# KiCad board AnalogComputer.kicad_pcb
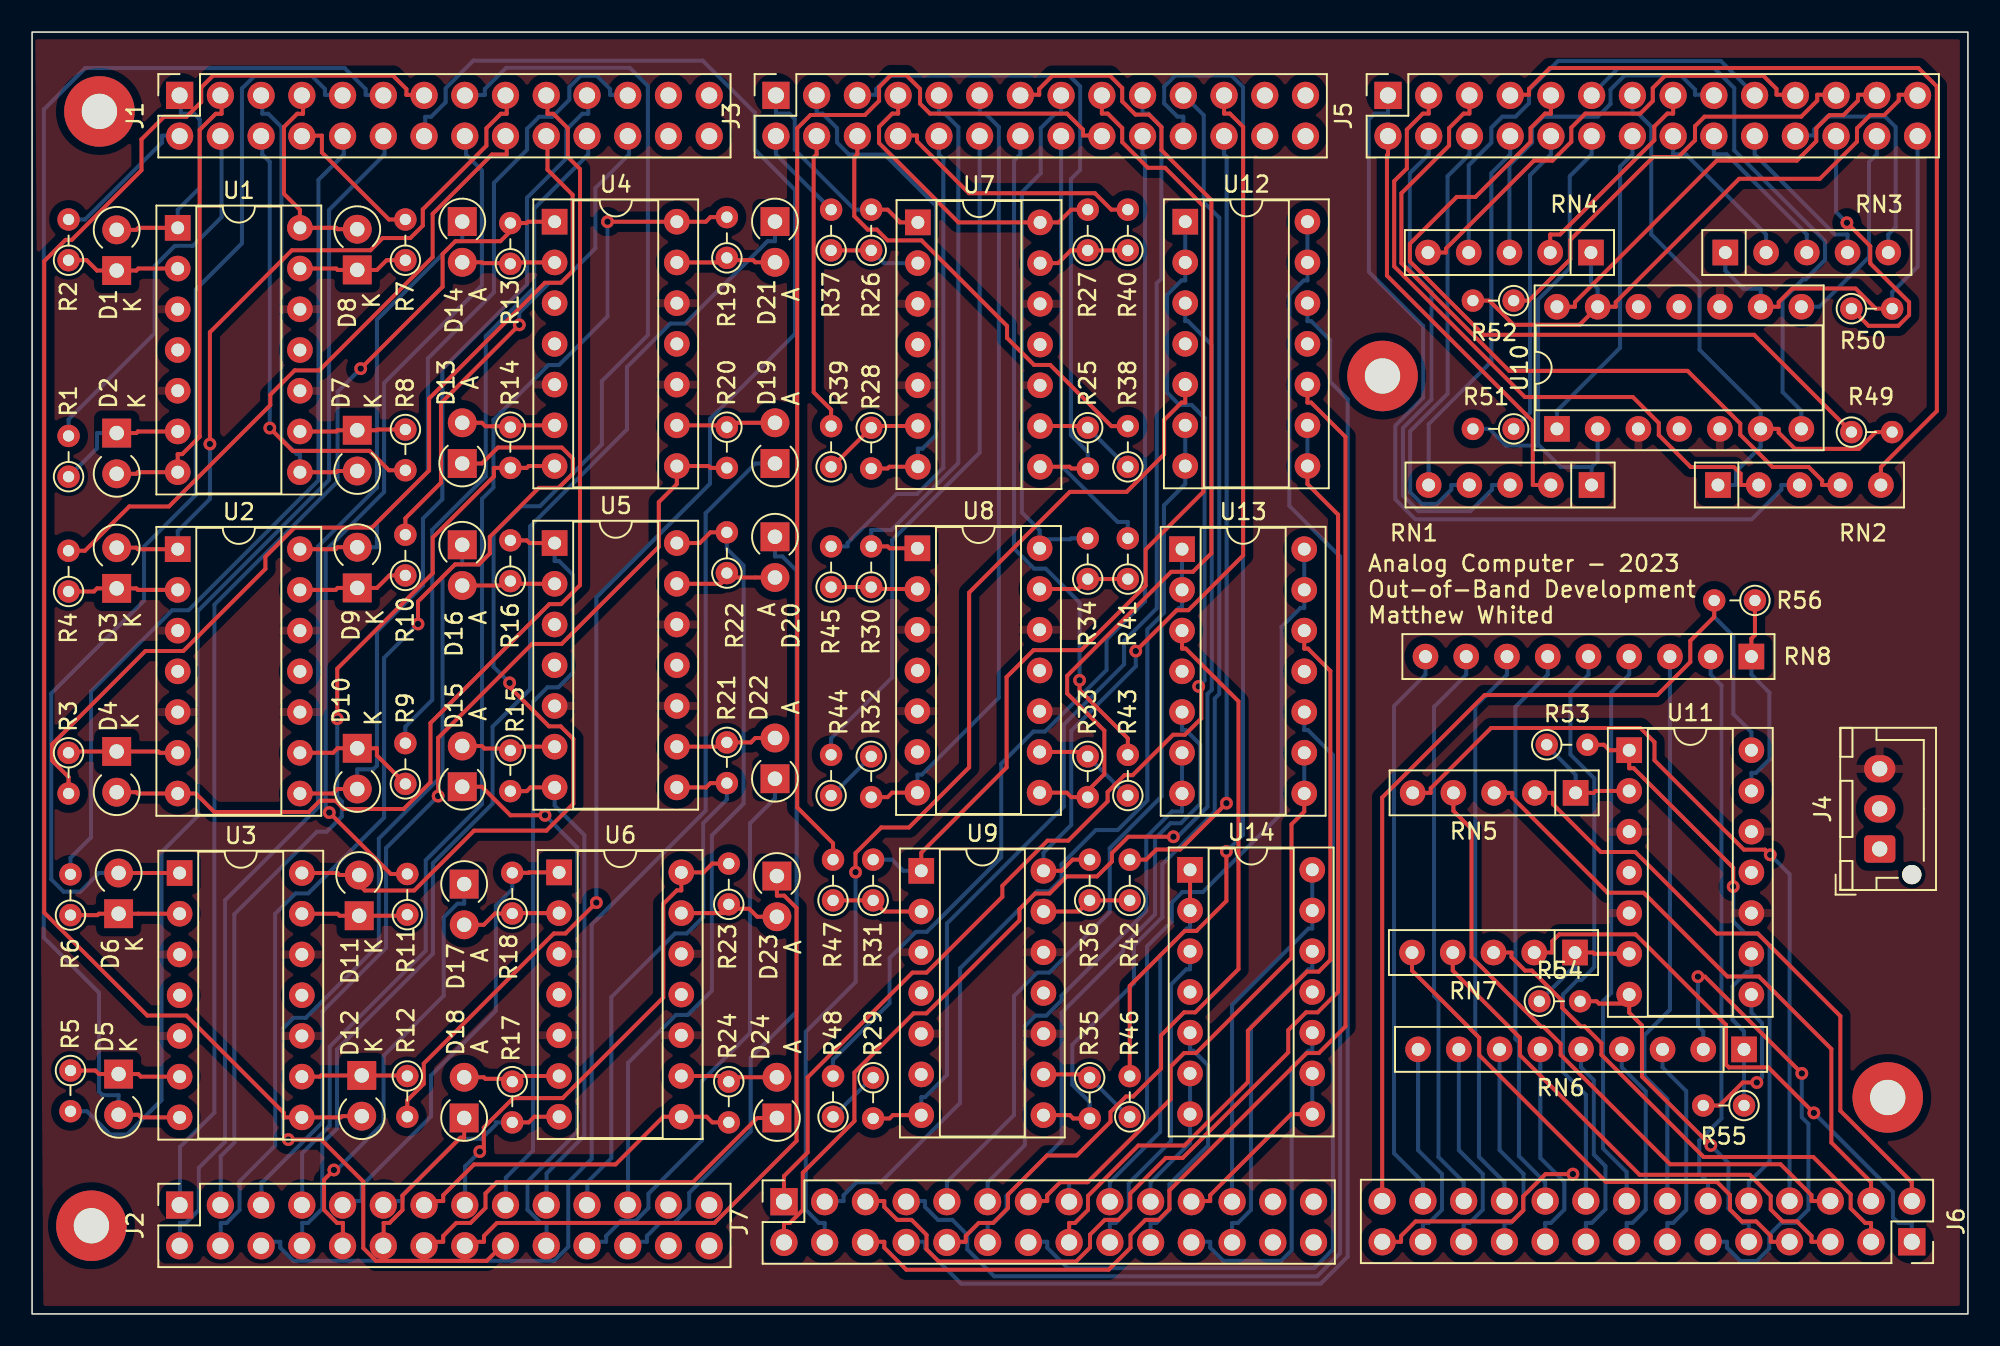
[diagram p0: board, top side]
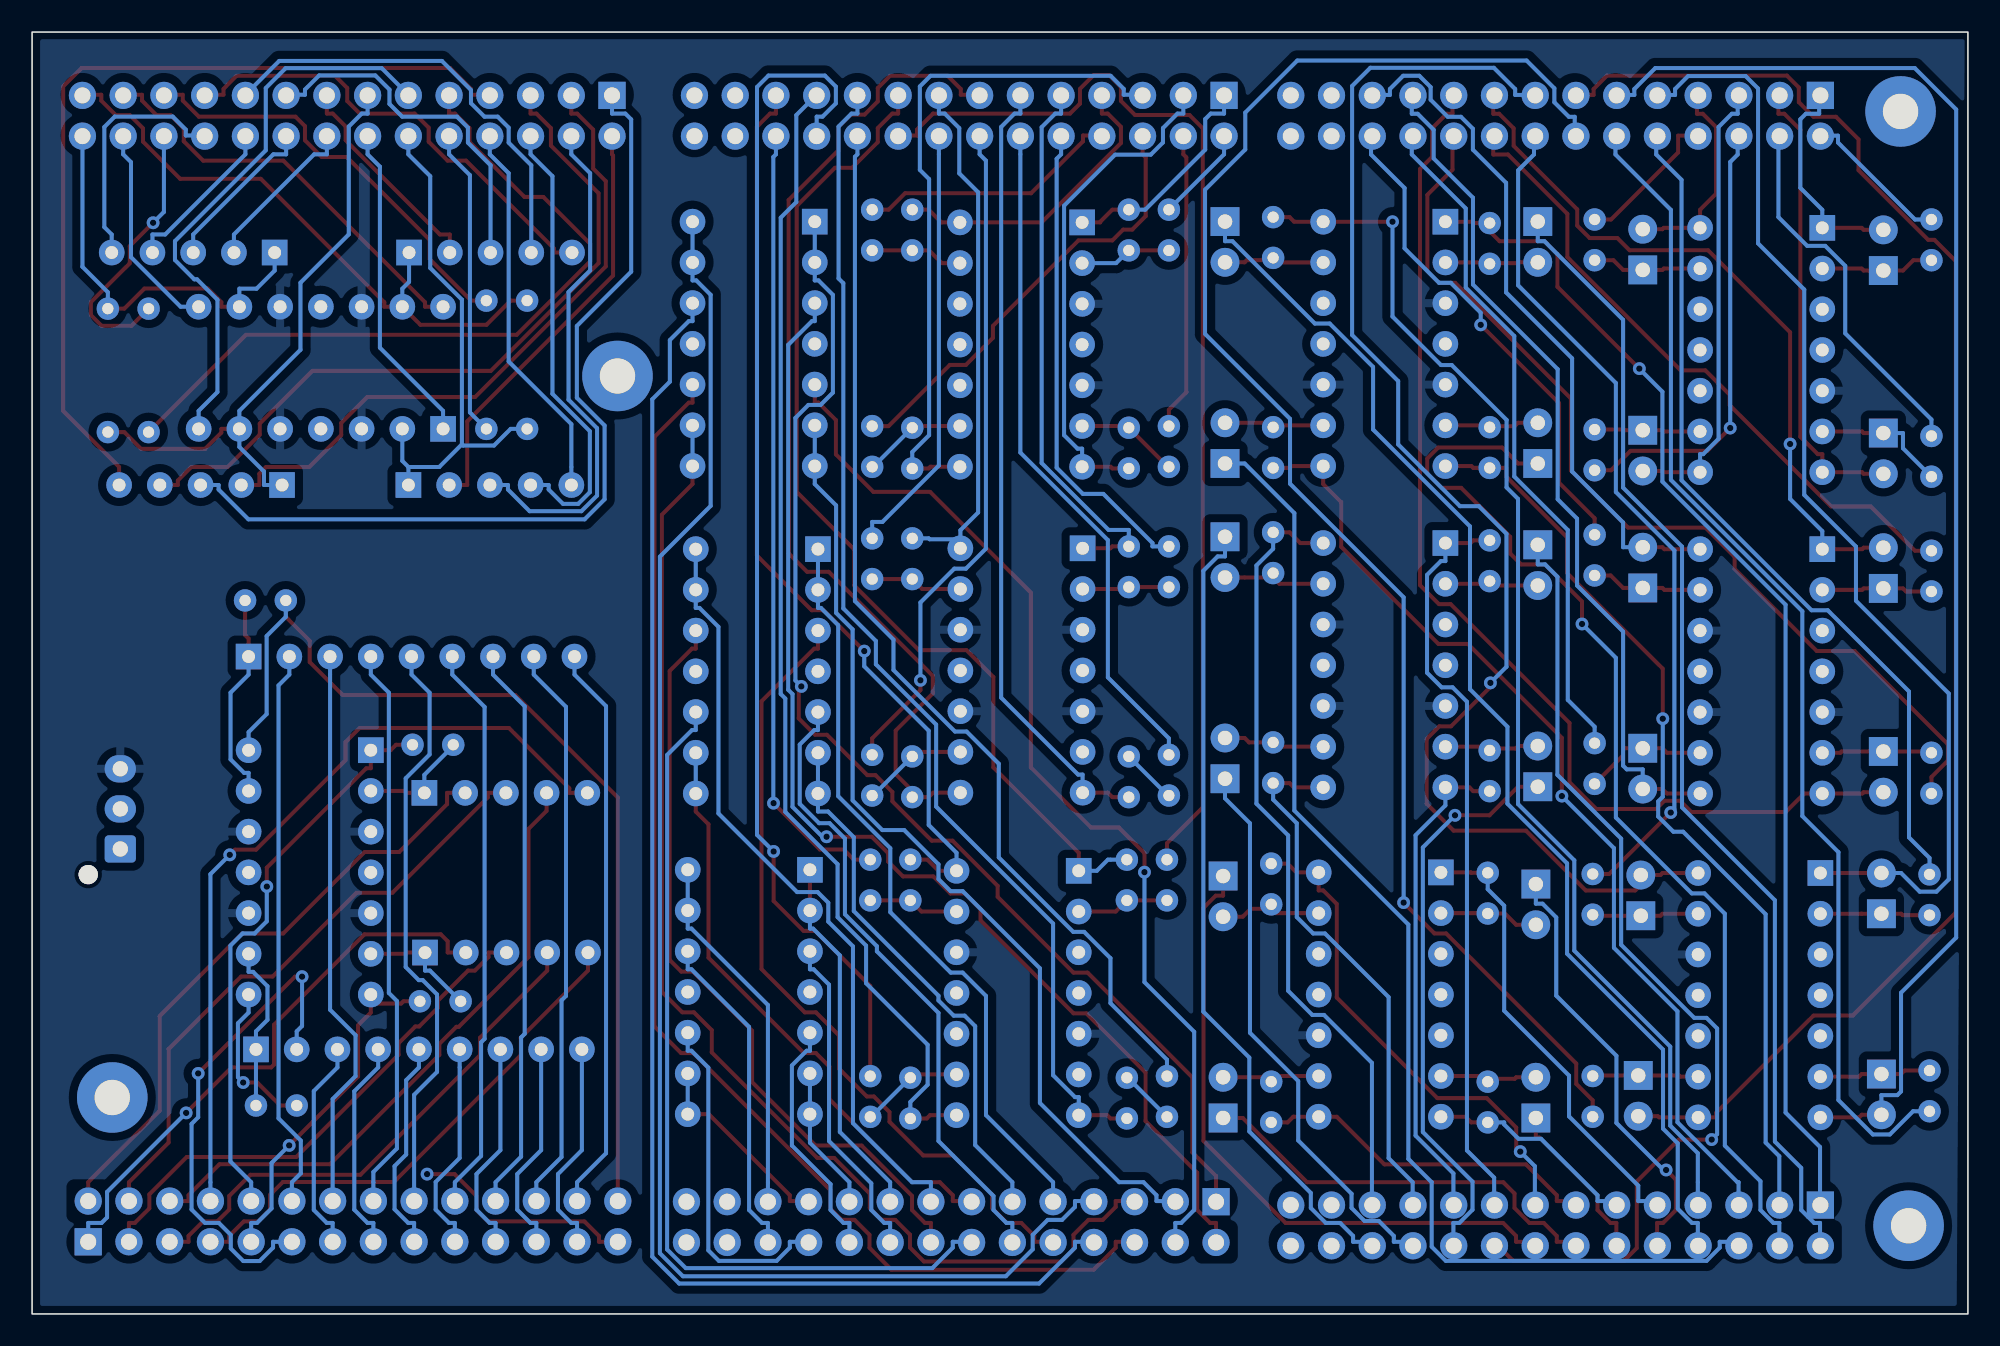
[diagram p1: board, bottom side, seen from below]

Outline 120.7 x 79.95 mm; copper layers: Top, Ground (plane), Power (plane), Bottom. Coordinates in mm from the lower left corner of the outline.
Outline path: rectangle 0,79.95 120.7,0
Stack: Top 0.035mm / dielectric 0.1mm FR4 er 4.5 / Ground 0.035mm / dielectric 1.24mm FR4 er 4.5 / Power 0.035mm / dielectric 0.1mm FR4 er 4.5 / Bottom 0.035mm

## Placement (name value [footprint] x y rotation side)
D1  1N4148  [D_A-405_P2.54mm_Vertical_KathodeUp]  5.28 65.08 90 top
D2  1N4148  [D_A-405_P2.54mm_Vertical_KathodeUp]  5.28 54.94 270 top
D3  1N4148  [D_A-405_P2.54mm_Vertical_KathodeUp]  5.28 45.25 90 top
D4  1N4148  [D_A-405_P2.54mm_Vertical_KathodeUp]  5.28 35.08 270 top
D5  1N4148  [D_A-405_P2.54mm_Vertical_KathodeUp]  5.39 14.96 270 top
D6  1N4148  [D_A-405_P2.54mm_Vertical_KathodeUp]  5.39 24.96 90 top
D7  1N4148  [D_A-405_P2.54mm_Vertical_KathodeUp]  20.28 55.11 270 top
D8  1N4148  [D_A-405_P2.54mm_Vertical_KathodeUp]  20.28 65.11 90 top
D9  1N4148  [D_A-405_P2.54mm_Vertical_KathodeUp]  20.28 45.28 90 top
D10  1N4148  [D_A-405_P2.54mm_Vertical_KathodeUp]  20.28 35.28 270 top
D11  1N4148  [D_A-405_P2.54mm_Vertical_KathodeUp]  20.39 24.83 90 top
D12  1N4148  [D_A-405_P2.54mm_Vertical_KathodeUp]  20.56 14.88 270 top
D13  1N4148  [D_A-405_P2.54mm_Vertical_AnodeUp]  26.82 53.04 90 top
D14  1N4148  [D_A-405_P2.54mm_Vertical_AnodeUp]  26.82 68.13 270 top
D15  1N4148  [D_A-405_P2.54mm_Vertical_AnodeUp]  26.82 32.88 90 top
D16  1N4148  [D_A-405_P2.54mm_Vertical_AnodeUp]  26.82 47.97 270 top
D17  1N4148  [D_A-405_P2.54mm_Vertical_AnodeUp]  26.94 26.81 270 top
D18  1N4148  [D_A-405_P2.54mm_Vertical_AnodeUp]  26.94 12.22 90 top
D19  1N4148  [D_A-405_P2.54mm_Vertical_AnodeUp]  46.32 53.04 90 top
D20  1N4148  [D_A-405_P2.54mm_Vertical_AnodeUp]  46.32 48.47 270 top
D21  1N4148  [D_A-405_P2.54mm_Vertical_AnodeUp]  46.32 68.13 270 top
D22  1N4148  [D_A-405_P2.54mm_Vertical_AnodeUp]  46.32 33.38 90 top
D23  1N4148  [D_A-405_P2.54mm_Vertical_AnodeUp]  46.44 27.31 270 top
D24  1N4148  [D_A-405_P2.54mm_Vertical_AnodeUp]  46.44 12.22 90 top
J1  Conn_02x14_Odd_Even  [PinSocket_2x14_P2.54mm_Vertical]  9.2 76 90 top
J2  Conn_02x14_Odd_Even  [PinSocket_2x14_P2.54mm_Vertical]  9.2 6.79 90 top
J3  Conn_02x14_Odd_Even  [PinSocket_2x14_P2.54mm_Vertical]  46.38 76 90 top
J4  Conn_01x03_Pin  [JST_XH_B3B-XH-AM_1x03_P2.50mm_Vertical]  115.2 29 90 top
J5  Conn_02x14_Odd_Even  [PinSocket_2x14_P2.54mm_Vertical]  84.54 76 90 top
J6  Conn_02x14_Odd_Even  [PinSocket_2x14_P2.54mm_Vertical]  117.2 4.5 270 top
J7  Conn_02x14_Odd_Even  [PinSocket_2x14_P2.54mm_Vertical]  46.88 7 90 top
R1  10k  [R_Axial_DIN0204_L3.6mm_D1.6mm_P2.54mm_Vertical]  2.28 52.22 90 top
R2  10k  [R_Axial_DIN0204_L3.6mm_D1.6mm_P2.54mm_Vertical]  2.28 65.72 90 top
R3  10k  [R_Axial_DIN0204_L3.6mm_D1.6mm_P2.54mm_Vertical]  2.28 35 270 top
R4  10k  [R_Axial_DIN0204_L3.6mm_D1.6mm_P2.54mm_Vertical]  2.28 45.06 90 top
R5  10k  [R_Axial_DIN0204_L3.6mm_D1.6mm_P2.54mm_Vertical]  2.4 15.18 270 top
R6  10k  [R_Axial_DIN0204_L3.6mm_D1.6mm_P2.54mm_Vertical]  2.4 24.88 90 top
R7  10k  [R_Axial_DIN0204_L3.6mm_D1.6mm_P2.54mm_Vertical]  23.28 65.72 90 top
R8  10k  [R_Axial_DIN0204_L3.6mm_D1.6mm_P2.54mm_Vertical]  23.28 55.16 270 top
R9  10k  [R_Axial_DIN0204_L3.6mm_D1.6mm_P2.54mm_Vertical]  23.28 33.06 90 top
R10  10k  [R_Axial_DIN0204_L3.6mm_D1.6mm_P2.54mm_Vertical]  23.28 46.06 90 top
R11  10k  [R_Axial_DIN0204_L3.6mm_D1.6mm_P2.54mm_Vertical]  23.39 24.9 90 top
R12  10k  [R_Axial_DIN0204_L3.6mm_D1.6mm_P2.54mm_Vertical]  23.39 14.84 270 top
R13  10k  [R_Axial_DIN0204_L3.6mm_D1.6mm_P2.54mm_Vertical]  29.82 65.5 90 top
R14  10k  [R_Axial_DIN0204_L3.6mm_D1.6mm_P2.54mm_Vertical]  29.82 55.31 270 top
R15  10k  [R_Axial_DIN0204_L3.6mm_D1.6mm_P2.54mm_Vertical]  29.82 35.15 270 top
R16  10k  [R_Axial_DIN0204_L3.6mm_D1.6mm_P2.54mm_Vertical]  29.82 45.71 90 top
R17  10k  [R_Axial_DIN0204_L3.6mm_D1.6mm_P2.54mm_Vertical]  29.94 14.49 270 top
R18  10k  [R_Axial_DIN0204_L3.6mm_D1.6mm_P2.54mm_Vertical]  29.94 24.97 90 top
R19  10k  [R_Axial_DIN0204_L3.6mm_D1.6mm_P2.54mm_Vertical]  43.32 65.87 90 top
R20  10k  [R_Axial_DIN0204_L3.6mm_D1.6mm_P2.54mm_Vertical]  43.32 55.31 270 top
R21  10k  [R_Axial_DIN0204_L3.6mm_D1.6mm_P2.54mm_Vertical]  43.32 35.65 270 top
R22  10k  [R_Axial_DIN0204_L3.6mm_D1.6mm_P2.54mm_Vertical]  43.32 46.21 90 top
R23  10k  [R_Axial_DIN0204_L3.6mm_D1.6mm_P2.54mm_Vertical]  43.44 25.55 90 top
R24  10k  [R_Axial_DIN0204_L3.6mm_D1.6mm_P2.54mm_Vertical]  43.44 14.49 270 top
R25  10k  [R_Axial_DIN0204_L3.6mm_D1.6mm_P2.54mm_Vertical]  65.82 55.27 270 top
R26  10k  [R_Axial_DIN0204_L3.6mm_D1.6mm_P2.54mm_Vertical]  52.32 66.33 90 top
R27  10k  [R_Axial_DIN0204_L3.6mm_D1.6mm_P2.54mm_Vertical]  65.82 66.33 90 top
R28  10k  [R_Axial_DIN0204_L3.6mm_D1.6mm_P2.54mm_Vertical]  52.32 55.27 270 top
R29  10k  [R_Axial_DIN0204_L3.6mm_D1.6mm_P2.54mm_Vertical]  52.44 14.73 270 top
R30  10k  [R_Axial_DIN0204_L3.6mm_D1.6mm_P2.54mm_Vertical]  52.32 45.33 90 top
R31  10k  [R_Axial_DIN0204_L3.6mm_D1.6mm_P2.54mm_Vertical]  52.44 25.79 90 top
R32  10k  [R_Axial_DIN0204_L3.6mm_D1.6mm_P2.54mm_Vertical]  52.32 34.77 270 top
R33  10k  [R_Axial_DIN0204_L3.6mm_D1.6mm_P2.54mm_Vertical]  65.82 34.77 270 top
R34  10k  [R_Axial_DIN0204_L3.6mm_D1.6mm_P2.54mm_Vertical]  65.82 45.83 90 top
R35  10k  [R_Axial_DIN0204_L3.6mm_D1.6mm_P2.54mm_Vertical]  65.94 14.73 270 top
R36  10k  [R_Axial_DIN0204_L3.6mm_D1.6mm_P2.54mm_Vertical]  65.94 25.79 90 top
R37  10k  [R_Axial_DIN0204_L3.6mm_D1.6mm_P2.54mm_Vertical]  49.82 66.33 90 top
R38  10k  [R_Axial_DIN0204_L3.6mm_D1.6mm_P2.54mm_Vertical]  68.32 52.83 90 top
R39  10k  [R_Axial_DIN0204_L3.6mm_D1.6mm_P2.54mm_Vertical]  49.82 52.83 90 top
R40  10k  [R_Axial_DIN0204_L3.6mm_D1.6mm_P2.54mm_Vertical]  68.32 66.33 90 top
R41  10k  [R_Axial_DIN0204_L3.6mm_D1.6mm_P2.54mm_Vertical]  68.32 45.83 90 top
R42  10k  [R_Axial_DIN0204_L3.6mm_D1.6mm_P2.54mm_Vertical]  68.44 25.79 90 top
R43  10k  [R_Axial_DIN0204_L3.6mm_D1.6mm_P2.54mm_Vertical]  68.32 32.33 90 top
R44  10k  [R_Axial_DIN0204_L3.6mm_D1.6mm_P2.54mm_Vertical]  49.82 32.33 90 top
R45  10k  [R_Axial_DIN0204_L3.6mm_D1.6mm_P2.54mm_Vertical]  49.82 45.33 90 top
R46  10k  [R_Axial_DIN0204_L3.6mm_D1.6mm_P2.54mm_Vertical]  68.44 12.29 90 top
R47  10k  [R_Axial_DIN0204_L3.6mm_D1.6mm_P2.54mm_Vertical]  49.94 25.79 90 top
R48  10k  [R_Axial_DIN0204_L3.6mm_D1.6mm_P2.54mm_Vertical]  49.94 12.29 90 top
R49  1k  [R_Axial_DIN0204_L3.6mm_D1.6mm_P2.54mm_Vertical]  113.44 55 0 top
R50  1k  [R_Axial_DIN0204_L3.6mm_D1.6mm_P2.54mm_Vertical]  113.44 62.7 0 top
R51  1k  [R_Axial_DIN0204_L3.6mm_D1.6mm_P2.54mm_Vertical]  92.38 55.2 180 top
R52  1k  [R_Axial_DIN0204_L3.6mm_D1.6mm_P2.54mm_Vertical]  92.38 63.2 180 top
R53  10k  [R_Axial_DIN0204_L3.6mm_D1.6mm_P2.54mm_Vertical]  94.44 35.5 0 top
R54  10k  [R_Axial_DIN0204_L3.6mm_D1.6mm_P2.54mm_Vertical]  93.98 19.5 0 top
R55  10k  [R_Axial_DIN0204_L3.6mm_D1.6mm_P2.54mm_Vertical]  106.74 13 180 top
R56  10k  [R_Axial_DIN0204_L3.6mm_D1.6mm_P2.54mm_Vertical]  107.42 44.5 180 top
REF0  -  [MountingHole_2.2mm_M2_Pad_TopBottom]  84.2 58.5 0 top
REF2  -  [MountingHole_2.2mm_M2_Pad_TopBottom]  115.7 13.5 0 top
REF3  -  [MountingHole_2.2mm_M2_Pad_TopBottom]  4.2 75 0 top
REF4  -  [MountingHole_2.2mm_M2_Pad_TopBottom]  3.7 5.5 0 top
RN1  10k  [R_Array_SIP5]  97.23 51.7 180 top
RN2  10k  [R_Array_SIP5]  105.11 51.7 0 top
RN3  10k  [R_Array_SIP5]  105.58 66.2 0 top
RN4  10k  [R_Array_SIP5]  97.2 66.2 180 top
RN5  10k  [R_Array_SIP5]  96.24 32.5 180 top
RN6  10k  [R_Array_SIP9]  106.74 16.5 180 top
RN7  10k  [R_Array_SIP5]  96.2 22.54 180 top
RN8  10k  [R_Array_SIP9]  107.2 41 180 top
U1  LM324  [DIP-14_W7.62mm_Socket]  9.08 67.74 0 top
U2  LM324  [DIP-14_W7.62mm_Socket]  9.08 47.7 0 top
U3  LM324  [DIP-14_W7.62mm_Socket]  9.2 27.5 0 top
U4  LM324  [DIP-14_W7.62mm_Socket]  32.58 68.12 0 top
U5  LM324  [DIP-14_W7.62mm_Socket]  32.58 48.08 0 top
U6  LM324  [DIP-14_W7.62mm_Socket]  32.86 27.54 0 top
U7  LM324  [DIP-14_W7.62mm_Socket]  55.23 68.08 0 top
U8  LM324  [DIP-14_W7.62mm_Socket]  55.2 47.75 0 top
U9  LM324  [DIP-14_W7.62mm_Socket]  55.44 27.64 0 top
U10  LM324  [DIP-14_W7.62mm_Socket]  95.08 55.2 90 top
U11  LM324  [DIP-14_W7.62mm_Socket]  99.58 35.16 0 top
U12  LM324  [DIP-14_W7.62mm_Socket]  71.9 68.12 0 top
U13  LM324  [DIP-14_W7.62mm_Socket]  71.7 47.7 0 top
U14  LM324  [DIP-14_W7.62mm_Socket]  72.2 27.7 0 top

## Library data of the parts
D1-D24 = -: Description: Diode symbol for simulation only. Pin order incompatible with official kicad footprints
J1-J3 J5-J7 = -: Description: Generic connector, double row, 02x14, odd/even pin numbering scheme (row 1 odd numbers, row 2 even numbers), script generated (kicad-library-utils/schlib/autogen/connector/)
J4 = -: Description: Generic connector, single row, 01x03, script generated
R1-R48 = -: Description: Resistor
R49-R56 = -: Description: THT Box Resistor, 8.4mm Length, 2.5mm Width, 5.08mm Pin Pitch, US Symbol, Alternate KiCad Library
RN1-RN5 RN7 = -: Description: SIP-5 4x Resistor Network, Bussed, US Symbol, Alternate KiCad Library
RN6 RN8 = -: Description: SIP-9 8x Resistor Network, Bussed, US Symbol, Alternate KiCad Library
U1-U14 = -: Description: Low-Power, Quad-Operational Amplifiers, DIP-14/SOIC-14/SSOP-14

## Footprints (pads in the part's own frame, mm; a bottom-side part is the same pattern mirrored in y, then rotated)
D_A-405_P2.54mm_Vertical_AnodeUp
  rect 1.8x1.8 hole 0.9: 1(0,0)
  oval 1.8x1.8 hole 0.9: 2(2.54,0)
D_A-405_P2.54mm_Vertical_KathodeUp
  rect 1.8x1.8 hole 0.9: 1(0,0)
  oval 1.8x1.8 hole 0.9: 2(2.54,0)
DIP-14_W7.62mm_Socket
  rect 1.6x1.6 hole 0.8: 1(0,0)
  oval 1.6x1.6 hole 0.8: 2(0,-2.54) 3(0,-5.08) 4(0,-7.62) 5(0,-10.16) 6(0,-12.7) 7(0,-15.24) 8(7.62,-15.24) 9(7.62,-12.7) 10(7.62,-10.16) 11(7.62,-7.62) 12(7.62,-5.08) 13(7.62,-2.54) 14(7.62,0)
JST_XH_B3B-XH-AM_1x03_P2.50mm_Vertical
  round 1.2 hole 1.2 unplated: (-1.6,-2)
  rrect 1.7x1.95 hole 0.95: 1(0,0)
  oval 1.7x1.95 hole 0.95: 2(2.5,0) 3(5,0)
MountingHole_2.2mm_M2_Pad_TopBottom
  round 2.6 hole 2.2: 1(0,0)
  round 4.4 smd: 1(0,0)
  round 4.4 smd far side: 1(0,0)
PinSocket_2x14_P2.54mm_Vertical
  rect 1.7x1.7 hole 1: 1(0,0)
  oval 1.7x1.7 hole 1: 2(-2.54,0) 3(0,-2.54) 4(-2.54,-2.54) 5(0,-5.08) 6(-2.54,-5.08) 7(0,-7.62) 8(-2.54,-7.62) 9(0,-10.16) 10(-2.54,-10.16) 11(0,-12.7) 12(-2.54,-12.7) 13(0,-15.24) 14(-2.54,-15.24) 15(0,-17.78) 16(-2.54,-17.78) 17(0,-20.32) 18(-2.54,-20.32) 19(0,-22.86) 20(-2.54,-22.86) 21(0,-25.4) 22(-2.54,-25.4) 23(0,-27.94) 24(-2.54,-27.94) 25(0,-30.48) 26(-2.54,-30.48) 27(0,-33.02) 28(-2.54,-33.02)
R_Array_SIP5
  rect 1.6x1.6 hole 0.8: 1(0,0)
  oval 1.6x1.6 hole 0.8: 2(2.54,0) 3(5.08,0) 4(7.62,0) 5(10.16,0)
R_Array_SIP9
  rect 1.6x1.6 hole 0.8: 1(0,0)
  oval 1.6x1.6 hole 0.8: 2(2.54,0) 3(5.08,0) 4(7.62,0) 5(10.16,0) 6(12.7,0) 7(15.24,0) 8(17.78,0) 9(20.32,0)
R_Axial_DIN0204_L3.6mm_D1.6mm_P2.54mm_Vertical
  round 1.4 hole 0.7: 1(0,0)
  oval 1.4x1.4 hole 0.7: 2(2.54,0)

## Nets
GND: J4.1 REF0.1 REF2.1 REF3.1 REF4.1 U1.11 U2.11 U3.11 U4.11 U5.11 U6.11 U7.11 U8.11 U9.11 U10.11 U11.11 U12.11 U13.11 U14.11
VCC: J4.2 U1.4 U2.4 U3.4 U4.4 U5.4 U6.4 U7.4 U8.4 U9.4 U10.4 U11.4 U12.4 U13.4 U14.4
VDD: J4.3 U1.3 U1.5 U1.10 U1.12 U2.3 U2.5 U2.10 U2.12 U3.3 U3.5 U3.10 U3.12 U4.3 U4.5 U4.10 U4.12 U5.3 U5.5 U5.10 U5.12 U6.3 U6.5 U6.10 U6.12 U7.3 U7.5 U7.10 U7.12 U8.3 U8.5 U8.10 U8.12 U9.3 U9.5 U9.10 U9.12 U10.3 U10.5 U10.10 U10.12 U11.3 U11.5 U11.10 U11.12
/AlogIn0: D14.1 J2.1
/AlogIn1: D13.1 J2.3
/AlogIn2: D19.1 J2.5
/AlogIn3: D21.1 J2.7
/AlogIn4: D17.1 J2.9
/AlogIn5: D18.1 J2.11
/AlogIn6: D24.1 J2.13
/AlogIn7: D23.1 J2.15
/AlogIn8: D16.1 J2.17
/AlogIn9: D15.1 J2.19
/AlogIn10: D22.1 J2.21
/AlogIn11: D20.1 J2.23
/ALogOut0: J2.2 R13.2 U4.1
/ALogOut1: J2.4 R14.2 U4.7
/ALogOut2: J2.6 R20.2 U4.8
/ALogOut3: J2.8 R19.2 U4.14
/ALogOut4: J2.10 R18.2 U6.1
/ALogOut5: J2.12 R17.2 U6.7
/ALogOut6: J2.14 R24.2 U6.8
/ALogOut7: J2.16 R23.2 U6.14
/ALogOut8: J2.18 R16.2 U5.1
/ALogOut9: J2.20 R15.2 U5.7
/ALogOut10: J2.22 R21.2 U5.8
/ALogOut11: J2.24 R22.2 U5.14
/Buffer In 0: J7.1 U12.3
/Buffer In 1: J7.3 U12.5
/Buffer In 2: J7.5 U12.10
/Buffer In 3: J7.7 U12.12
/Buffer In 4: J7.9 U13.3
/Buffer In 5: J7.11 U13.5
/Buffer In 6: J7.13 U13.10
/Buffer In 7: J7.15 U13.12
/Buffer In 8: J7.17 U14.3
/Buffer In 9: J7.19 U14.5
/Buffer In 10: J7.21 U14.10
/Buffer In 11: J7.23 U14.12
/Buffer Out 0: J7.2 U12.1 U12.2
/Buffer Out 1: J7.4 U12.6 U12.7
/Buffer Out 2: J7.6 U12.8 U12.9
/Buffer Out 3: J7.8 U12.13 U12.14
/Buffer Out 4: J7.10 U13.1 U13.2
/Buffer Out 5: J7.12 U13.6 U13.7
/Buffer Out 6: J7.14 U13.8 U13.9
/Buffer Out 7: J7.16 U13.13 U13.14
/Buffer Out 8: J7.18 U14.1 U14.2
/Buffer Out 9: J7.20 U14.6 U14.7
/Buffer Out 10: J7.22 U14.8 U14.9
/Buffer Out 11: J7.24 U14.13 U14.14
/In 1k A 4: J5.9 R51.1
/In 1k B 4: J5.10 R49.1
/In 1k C 4: J5.23 R50.1
/In 1k D 4: J5.24 R52.1
/In 10k A 0: J5.1 RN1.2
/In 10k A 1: J5.3 RN1.3
/In 10k A 2: J5.5 RN1.4
/In 10k A 3: J5.7 RN1.5
/In 10k B 0: J5.2 RN2.3
/In 10k B 1: J5.4 RN2.2
/In 10k B 2: J5.6 RN2.4
/In 10k B 3: J5.8 RN2.5
/In 10k C 0: J5.15 RN3.2
/In 10k C 1: J5.17 RN3.3
/In 10k C 2: J5.19 RN3.4
/In 10k C 3: J5.21 RN3.5
/In 10k D 0: J5.16 RN4.2
/In 10k D 1: J5.18 RN4.3
/In 10k D 2: J5.20 RN4.4
/In 10k D 3: J5.22 RN4.5
/In a 0: J6.1 RN5.2
/In a 1: J6.3 RN5.3
/In a 2: J6.5 RN5.4
/In a 3: J6.7 RN5.5
/In b 0: J6.2 RN7.2
/In b 1: J6.4 RN7.3
/In b 2: J6.6 RN7.4
/In b 3: J6.8 RN7.5
/In c 0: J6.12 RN6.2
/In c 1: J6.14 RN6.3
/In c 2: J6.16 RN6.4
/In c 3: J6.18 RN6.5
/In c 4: J6.20 RN6.6
/In c 5: J6.22 RN6.7
/In c 6: J6.24 RN6.8
/In c 7: J6.26 RN6.9
/In d 0: J6.11 RN8.2
/In d 1: J6.13 RN8.3
/In d 2: J6.15 RN8.4
/In d 3: J6.17 RN8.5
/In d 4: J6.19 RN8.6
/In d 5: J6.21 RN8.7
/In d 6: J6.23 RN8.8
/In d 7: J6.25 RN8.9
/InvertIn0: J3.1 R37.2
/InvertIn1: J3.3 R39.2
/InvertIn2: J3.5 R38.2
/InvertIn3: J3.7 R40.2
/InvertIn4: J3.9 R45.2
/InvertIn5: J3.11 R44.2
/InvertIn6: J3.13 R43.2
/InvertIn7: J3.15 R41.2
/InvertIn8: J3.17 R47.2
/InvertIn9: J3.19 R48.2
/InvertIn10: J3.21 R46.2
/InvertIn11: J3.23 R42.2
/InvertOut0: J3.2 R26.2 U7.1
/InvertOut1: J3.4 R28.2 U7.7
/InvertOut2: J3.6 R25.2 U7.8
/InvertOut3: J3.8 R27.2 U7.14
/InvertOut4: J3.10 R30.2 U8.1
/InvertOut5: J3.12 R32.2 U8.7
/InvertOut6: J3.14 R33.2 U8.8
/InvertOut7: J3.16 R34.2 U8.14
/InvertOut8: J3.18 R31.2 U9.1
/InvertOut9: J3.20 R29.2 U9.7
/InvertOut10: J3.22 R35.2 U9.8
/InvertOut11: J3.24 R36.2 U9.14
/LogIn0: J1.1 R2.2
/LogIn1: J1.3 R1.2
/LogIn2: J1.5 R8.2
/LogIn3: J1.7 R7.2
/LogIn4: J1.9 R6.2
/LogIn5: J1.11 R5.2
/LogIn6: J1.13 R12.2
/LogIn7: J1.15 R11.2
/LogIn8: J1.17 R4.2
/LogIn9: J1.19 R3.2
/LogIn10: J1.21 R9.2
/LogIn11: J1.23 R10.2
/LogOut0: D1.2 J1.2 U1.1
/LogOut1: D2.2 J1.4 U1.7
/LogOut2: D7.2 J1.6 U1.8
/LogOut3: D8.2 J1.8 U1.14
/LogOut4: D6.2 J1.10 U3.1
/LogOut5: D5.2 J1.12 U3.7
/LogOut6: D12.2 J1.14 U3.8
/LogOut7: D11.2 J1.16 U3.14
/LogOut8: D3.2 J1.18 U2.1
/LogOut9: D4.2 J1.20 U2.7
/LogOut10: D10.2 J1.22 U2.8
/LogOut11: D9.2 J1.24 U2.14
/Out  A: J6.9 R53.2 U11.1
/Out  B: J6.10 R54.2 U11.7
/Out  C: J6.28 R55.2 U11.8
/Out  D: J6.27 R56.2 U11.14
/Out A: J5.13 U10.1
/Out B: J5.12 U10.7
/Out C: J5.25 U10.8
/Out D: J5.26 U10.14
/SJ A: J5.11 R51.2 RN1.1 U10.2
/SJ B: J5.14 R49.2 RN2.1 U10.6
/SJ C: J5.27 R50.2 RN3.1 U10.9
/SJ D: J5.28 R52.2 RN4.1 U10.13
Net-(D1-K): D1.1 R2.1 U1.2
Net-(D2-K): D2.1 R1.1 U1.6
Net-(D3-K): D3.1 R4.1 U2.2
Net-(D4-K): D4.1 R3.1 U2.6
Net-(D5-K): D5.1 R5.1 U3.6
Net-(D6-K): D6.1 R6.1 U3.2
Net-(D7-K): D7.1 R8.1 U1.9
Net-(D8-K): D8.1 R7.1 U1.13
Net-(D9-K): D9.1 R10.1 U2.13
Net-(D10-K): D10.1 R9.1 U2.9
Net-(D11-K): D11.1 R11.1 U3.13
Net-(D12-K): D12.1 R12.1 U3.9
Net-(D13-A): D13.2 R14.1 U4.6
Net-(D14-A): D14.2 R13.1 U4.2
Net-(D15-A): D15.2 R15.1 U5.6
Net-(D16-A): D16.2 R16.1 U5.2
Net-(D17-A): D17.2 R18.1 U6.2
Net-(D18-A): D18.2 R17.1 U6.6
Net-(D19-A): D19.2 R20.1 U4.9
Net-(D20-A): D20.2 R22.1 U5.13
Net-(D21-A): D21.2 R19.1 U4.13
Net-(D22-A): D22.2 R21.1 U5.9
Net-(D23-A): D23.2 R23.1 U6.13
Net-(D24-A): D24.2 R24.1 U6.9
Net-(RN5-common): R53.1 RN5.1 U11.2
Net-(RN6-common): R55.1 RN6.1 U11.9
Net-(RN7-common): R54.1 RN7.1 U11.6
Net-(RN8-common): R56.1 RN8.1 U11.13
Net-(U7A--): R26.1 R37.1 U7.2
Net-(U7B--): R28.1 R39.1 U7.6
Net-(U7C--): R25.1 R38.1 U7.9
Net-(U7D--): R27.1 R40.1 U7.13
Net-(U8A--): R30.1 R45.1 U8.2
Net-(U8B--): R32.1 R44.1 U8.6
Net-(U8C--): R33.1 R43.1 U8.9
Net-(U8D--): R34.1 R41.1 U8.13
Net-(U9A--): R31.1 R47.1 U9.2
Net-(U9B--): R29.1 R48.1 U9.6
Net-(U9C--): R35.1 R46.1 U9.9
Net-(U9D--): R36.1 R42.1 U9.13

Pads without a net: J1 25 26 27 28; J2 25 26 27 28; J3 25 26 27 28; J7 25 26 27 28

## Via types
v1: diameter 0.8, hole 0.4, Top to Bottom, 31 vias

## Routing (per net, layer and track width the routed paths; a pad name or vN(x,y) marks a point on that pad's centre or on a via; arc(x,y) is an arc through that point)
/AlogIn0: length 71.4
  Bottom w0.25: 9.22,4.5 9.22,5.68 9.59,5.68 10.4,6.48 10.4,9.11 12.03,10.75 12.03,25.8 17.83,31.59 17.83,47.86 21.5,51.53 21.5,62 26.4,66.91 26.82,66.91 D14.1
/AlogIn1: length 67.8
  Top w0.25: v1(24.06,43.03) 24.06,44.44 26.37,46.75 27.86,46.75 28.54,47.43 28.54,48.47 31.6,51.52 32.83,51.52 33.71,52.41 33.71,53.35 33.03,54.04 29.04,54.04 28.05,53.04 D13.1
  Bottom w0.25: 11.76,4.5 11.76,5.68 12.13,5.68 12.94,6.48 12.94,8.28 15.16,10.5 15.16,24.96 16.43,26.23 17.22,26.23 21.95,30.96 21.95,40.92 v1(24.06,43.03)
/AlogIn2: length 75.1
  Bottom w0.25: D19.1 45.09,53.04 42,49.94 42,31.4 34.89,24.29 34.89,9.67 33.43,8.22 33.43,4.19 32.55,3.31 16.3,3.31 15.48,4.13 15.48,4.5 14.3,4.5
/AlogIn3: length 76.9
  Bottom w0.25: D21.1 46.32,66.91 45.86,66.91 40.72,61.77 39.79,61.77 37.09,59.07 37.09,55.16 31.05,49.12 31.05,38.96 28.71,36.62 28.71,31.82 24.99,28.11 24.99,22.47 19.01,16.49 19.01,11.56 18.09,10.64 18.09,6.56 17.21,5.68 16.84,5.68 16.84,4.5
/AlogIn4: length 27
  Top w0.25: 19.38,4.5 19.38,5.68 19.01,5.68 18.2,6.48 18.2,8.37 v1(18.82,8.98)
  Bottom w0.25: v1(18.82,8.98) 18.98,8.98 21.92,11.91 21.92,16.1 25.67,19.85 25.67,24.73 26.52,25.59 26.94,25.59 D17.1
/AlogIn5: length 10.2
  Top w0.25: 21.92,4.5 21.92,5.68 22.29,5.68 23.1,6.48 23.1,7.38 26.71,11 26.94,11 D18.1
/AlogIn6: length 25.9
  Top w0.25: D24.1 45.21,12.22 41.21,8.22 28.97,8.22 28.27,7.51 28.27,6.61 27.34,5.68 26.44,5.68 25.64,4.87 25.64,4.5 24.46,4.5
/AlogIn7: length 40.8
  Top w0.25: 27,4.5 28.18,4.5 28.18,4.87 28.98,5.68 42.55,5.68 47.67,10.79 47.67,25.32 46.9,26.09 46.44,26.09 D23.1
/AlogIn8: length 62.2
  Top w0.25: 29.54,4.5 28.35,3.31 21.45,3.31 20.65,4.11 20.65,8.25 18.03,10.87 v1(15.98,10.87)
  Bottom w0.25: v1(15.98,10.87) 15.64,11.21 15.64,17.81 16.3,18.47 17.06,18.47 21.62,23.02 21.62,29.65 25.59,33.62 25.59,45.98 26.36,46.75 26.82,46.75 D16.1
/AlogIn9: length 35.3
  Top w0.25: v1(31.98,31.1) 29.83,31.1 28.05,32.88 D15.1
  Bottom w0.25: v1(31.98,31.1) 33.99,29.1 33.99,11.35 30.89,8.25 30.89,6.5 31.71,5.68 32.08,5.68 32.08,4.5
/AlogIn10: length 34.9
  Bottom w0.25: D22.1 46.32,32.16 44.76,30.6 44.76,17.53 41.76,14.53 41.76,10.82 38.43,7.5 38.43,6.61 37.62,5.8 36.73,5.8 35.8,4.87 35.8,4.5 34.62,4.5
/AlogIn11: length 50.4
  Bottom w0.25: D20.1 46.32,47.25 46.78,47.25 47.67,46.35 47.67,18.85 44.8,15.99 44.8,11.38 40.97,7.55 40.97,6.61 40.04,5.68 39.14,5.68 38.34,4.87 38.34,4.5 37.16,4.5
/ALogOut0: length 74.2
  Top w0.25: 30.33,68.04 29.2,66.91 26.39,66.91 25.59,66.11 25.59,64.06 v1(20.49,58.96) ; 30.33,68.04 30.85,68.04 30.93,68.12 U4.1 ; 30.33,68.04 R13.2
  Bottom w0.25: v1(20.49,58.96) 19.05,57.52 19.05,51.91 11.37,44.23 11.37,12.56 9.22,10.41 9.22,7.04
/ALogOut1: length 57.2
  Top w0.25: U4.7 30.96,52.88 30.85,52.77 R14.2 28.79,52.77 28.79,52.24 24.98,48.42 24.98,46.2 19.03,40.25 v1(19.03,37.12)
  Bottom w0.25: 11.76,7.04 11.76,9.84 12.61,10.69 12.61,24.93 17.76,30.08 18.36,30.08 19.31,31.02 19.31,31.97 19.03,32.25 v1(19.03,37.12)
/ALogOut2: length 60.9
  Top w0.25: R20.2 42.29,52.77 42.18,52.88 U4.8 40.2,51.76 39.07,50.63 39.07,47.85 33.02,41.79 31.18,41.79 25.32,35.93 v1(25.32,32.3)